# Altium PCB MCH_MAIN.PCBDOC (part 10 of 14)
Units mil, origin at the board's own origin, x right, y up, seen from the top; angles counter-clockwise.
Board outline 7110.66 x 2894.12 mil, 6 copper layers (Top Layer, Power, MidLayer1, MidLayer4, GND, Bottom Layer), stack 61.549 mil thick; 630 components, 1085 nets, 3940 pads, 2676 vias.
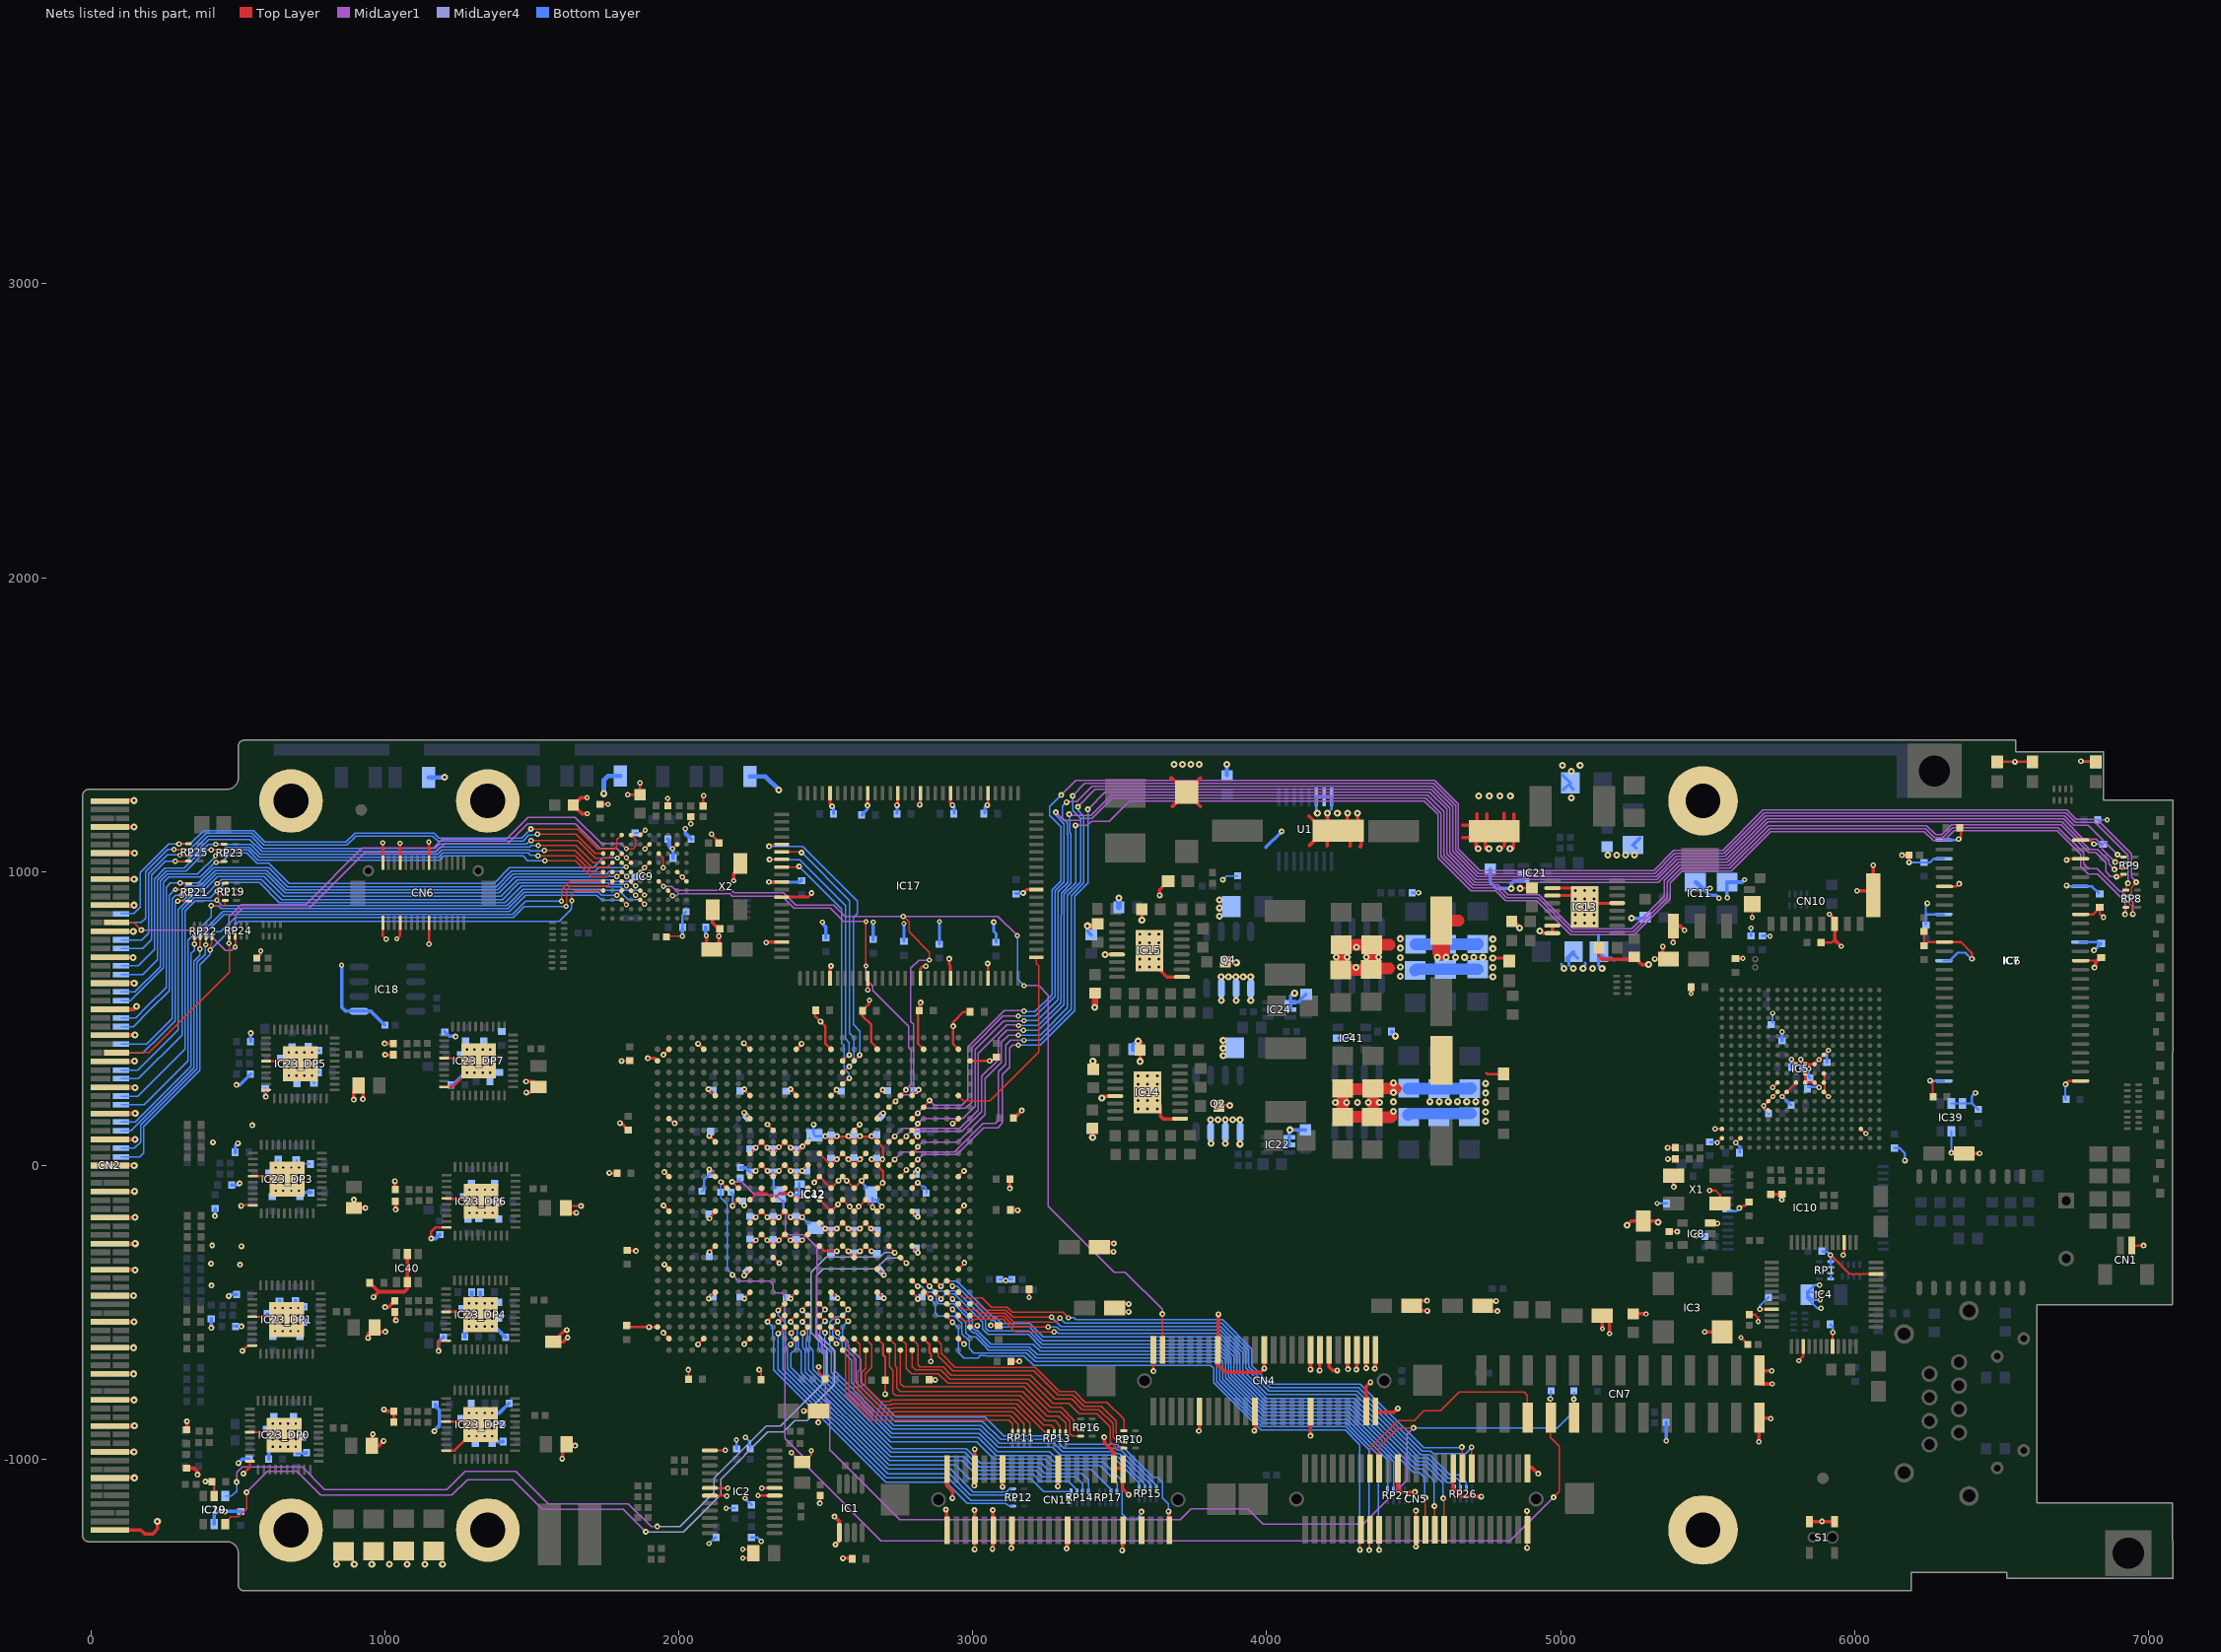
[diagram p14: the nets of this part, all layers, seen from the top]

## Via types
v1: diameter 20, hole 8, Top Layer to Bottom Layer, tented both sides, 1658 vias
v2: diameter 18, hole 8, Top Layer to Bottom Layer, tented both sides, 580 vias
v3: diameter 24, hole 10, Top Layer to Bottom Layer, tented both sides, 438 vias

## Nets (pads, with @x,y where several pads share a name; then routed paths per layer and width w, separated by ;. In a path a pad name is that pad's centre, name@x,y a point inside that pad or via, vN(x,y) a via of type N, cw(c..) or ccw(c..) an arc to the next point about the centre after c; other vN are vias at no path point) (continued)
GND: (continued)
  other v1: 4886.2,-1301.1 5889.08,-1210.67 2529.8,-1194.3 456,-1177.1 3101.6,-1093.1 1603.4,-997.1 644.17,-956.69 671.73,-956.69 697.32,-956.69 618.58,-931.1 644.17,-931.1 671.73,-931.1 697.32,-931.1 3447.66,-924.58 1286.77,-920.61 1312.36,-920.61 1339.92,-920.61 4149,-919.7 618.58,-903.54 644.17,-903.54 671.73,-903.54 697.32,-903.54 1286.77,-895.02 1312.36,-895.02 1339.92,-895.02 1365.51,-895.02 618.58,-877.95 644.17,-877.95 671.73,-877.95 697.32,-877.95 1286.77,-867.46 1312.36,-867.46 1339.92,-867.46 1365.51,-867.46 1286.77,-841.87 1312.36,-841.87 1339.92,-841.87 2702.2,-777.5 2857.6,-666.7 2536.4,-606.3 626.77,-563.61 652.36,-563.61 679.92,-563.61 705.51,-563.61 1311.97,-547.09 1339.53,-547.09 1365.12,-547.09 3015.5,-544.7 3062,-544.1 626.77,-538.02 652.36,-538.02 679.92,-538.02 1038.2,-526.5 1286.38,-521.5 1311.97,-521.5 1339.53,-521.5 1365.12,-521.5 652.36,-510.46 679.92,-510.46 705.51,-510.46 4784.8,-495.1 1286.38,-493.94 1311.97,-493.94 1339.53,-493.94 1365.12,-493.94 626.77,-484.87 679.92,-484.87 1311.97,-468.35 1365.12,-468.35 2813.29,-453.99 2101.68,-453.07 2223.73,-453.07 2381.21,-453.07 2698.13,-451.04 410.4,-407.9 2222.74,-373.35 2698.13,-372.3 507.6,-337.9 1951.4,-336.9 409,-333.7 2971.6,-330.9 2813.29,-296.51 2104.63,-294.61 2537.7,-291.66 2577.07,-291.66 2616.44,-291.66 1854.4,-290.6 512.4,-274.6 413,-271.9 2301.48,-254.25 2380.22,-254.25 5462.14,-237.84 5396.2,-225.04 2498.33,-214.88 2577.07,-214.88 2104.63,-180.44 2301.48,-175.51 2813.29,-174.47 1287.98,-161.29 1313.57,-161.29 1341.13,-161.29 1366.72,-161.29 3153,-152.1 5608,-145.1 2581.01,-140.08 511.3,-137.1 1287.98,-135.7 1313.57,-135.7 1341.13,-135.7 1366.72,-135.7 2222.74,-136.14 5752.5,-116.78 1287.98,-108.14 1313.57,-108.14 1341.13,-108.14 1366.72,-108.14 628.77,-85.61 654.36,-85.61 681.92,-85.61 1287.98,-82.55 1313.57,-82.55 1341.13,-82.55 1366.72,-82.55 628.77,-60.02 654.36,-60.02 681.92,-60.02 707.51,-60.02 2693.6,-59.1 2460.9,-57.44 2571.17,-51.5 628.77,-32.46 654.36,-32.46 681.92,-32.46 707.51,-32.46 1950.6,-22.3 2301.89,-18.03 2380.63,-18.03 2420,-18.03 654.36,-6.87 681.92,-6.87 2577.07,21.34 2693.21,21.34 2301.89,60.71 2380.63,60.71 2340.85,62.67 415.4,78.9 2813.29,99.09 2537.7,100.08 2577.07,100.08 2616.44,100.08 2655.81,100.08 549.2,136.9 2301.58,139.81 2615.46,139.45 2931.8,142.9 1986,143.5 2695.18,177.83 1481.2,248.3 2536.72,257.56 2694.2,257.56 1480.4,285.7 673.58,306.31 699.17,306.31 726.73,306.31 1305.36,316.39 1332.92,316.39 1358.51,316.39 673.58,331.9 699.17,331.9 726.73,331.9 752.32,331.9 1279.77,341.98 1305.36,341.98 1332.92,341.98 1358.51,341.98 3057.5,356.1 673.58,359.46 699.17,359.46 726.73,359.46 752.32,359.46 1279.77,369.54 1305.36,369.54 1332.92,369.54 1358.51,369.54 673.58,385.05 699.17,385.05 726.73,385.05 1279.77,395.13 1305.36,395.13 1332.92,395.13 1358.51,395.13 2417.8,414.7 1240.8,438.7 6816.01,673.22 4516.1,927.87 2819.4,1227.8 6545.4,1373.4
  other v2: 2167,-1097.1 5532.76,77.15 6037.8,108.7 5722.04,234.63 5878.82,360.11 5753.63,455.51 5721.84,518.1 2841,677.9 2137,779.9 1979,1077.9
  other v3: 836,-1357.1 896,-1357.1 956,-1357.1 1016,-1357.1 1076,-1357.1 1136,-1357.1 1196,-1357.1 226.8,-1210.3 148.2,-1062.5 146.6,-973.9 148.2,-885.1 147,-797.5 145.8,-708.7 146,-619.9 147.2,-531.7 150.6,-355.5 151.2,-265.7 150.6,-176.7 148.4,-88.1 147.8,-0.7 3909.1,72.85 3810.68,74.82 3859.89,74.82 150,88.3 4078.5,121.2 4744.87,151.08 3808.71,155.53 3833.81,155.53 3858.91,155.53 3884.01,155.53 3909.1,155.53 151.2,177.1 4744.87,183.07 4430.67,184.77 3562.52,192.8 3595,192.8 3627.48,192.8 4233.91,214.59 4271.31,214.59 4308.71,214.59 4346.11,214.59 4383.51,214.59 4744.87,215.06 4430.67,216.76 4555.59,217.1 4586.75,217.1 4617.91,217.1 4649.07,217.1 4680.24,217.1 4711.4,217.1 3562.52,220.36 3595,220.36 3627.48,220.36 3439.4,229.9 4744.87,247.05 3562.52,248.9 3595,248.9 3627.48,248.9 4430.67,248.75 150,264.5 3562.52,276.46 3595,276.46 3627.48,276.46 4744.87,279.04 4430.67,280.74 3562.52,305 3595,305 3627.48,305 149,354.9 3409.1,354.65 3569.54,354.35 3852.02,374.04 3852.02,399.63 3562.6,423.15 3852.02,425.22 149.8,444.1 3845.43,561.81 3896.61,561.81 3945.82,561.81 4095,585.9 147.8,619.7 3845.13,641.75 3870.23,641.75 3895.33,641.75 3920.42,641.75 3945.52,641.75 4769.17,642.18 4454.97,643.88 5011,670.9 5043.5,670.9 5076,670.9 5108.5,670.9 5141,670.9 4303.59,673.37 4769.17,674.17 3568.52,674.8 3601,674.8 3633.48,674.8 4454.97,675.87 3568.52,702.36 3601,702.36 3633.48,702.36 4454.97,707.86 4579.89,708.2 4611.05,708.2 4642.21,708.2 4673.38,708.2 4704.54,708.2 4735.7,708.2 4236.86,708.68 4274.26,708.68 4339.22,708.68 4380.56,708.68 3450,717.9 3568.52,730.9 3601,730.9 3633.48,730.9 4769.17,738.15 4454.97,739.85 4305.6,742.8 3568.52,758.46 3601,758.46 3633.48,758.46 4454.97,771.84 3568.52,787 3601,787 3633.48,787 144.6,796.7 5050.5,824.78 5082,824.78 5113.5,824.78 3839.22,848.44 5050.5,853.33 5082,853.33 5113.5,853.33 3839.22,876 5050.5,879.9 5082,879.9 5113.5,879.9 147,885.7 3839.22,903.56 5050.5,907.46 5082,907.46 5113.5,907.46 5050.5,935.02 5082,935.02 5113.5,935.02 4832,941.9 4862,942.9 147.8,974.3 5161,1055.9 5191,1055.9 5221,1055.9 5251,1055.9 149,1062.9 4719.8,1077.8 4755.77,1077.8 4827.7,1077.8 147.4,1151.7 4240.75,1199.03 147,1241.5 5036,1250.9 4721.3,1256.8 4757.27,1256.8 4793.23,1256.8 4829.2,1256.8 5036,1340.9 5006,1360.9 5066,1360.9 3684.9,1364.1 3713.63,1364.1 3742.37,1364.1 3771.1,1364.1
GPIO0: IC12.K22 RP8.8 | length 5779.2
  Top Layer w5: v1@2769.72,95.87 IC12.K22@2754.32,80.47 v1@2772.94,99.09 ; v1@6921.79,856.65 6921.79,859.6 6923.04,860.86 RP8.8@6923.04,878.05
  MidLayer1 w5: v1(2773.92,99.09) 2790.42,115.59 2898.87,115.59 2898.96,115.5 2912,115.5 2912.4,115.9 2963.5,115.9 3030.75,183.15 3030.75,279.9 3030.75,303.65 3087,359.9 3087,430.9 3115.5,459.4 3152,459.4 3172.5,459.4 v2(3173,459.9) ; v1(3349.5,1157.1) 3389.8,1157.1 3403.4,1170.7 3464.9,1170.7 3534.1,1239.9 4536.66,1239.9 4582.45,1194.11 4582.45,1047.31 4695.86,933.9 4779.12,933.9 4812.12,900.9 4918.52,900.9 5034.14,785.28 5250.96,785.28 5373,907.33 5373,961.33 5413.27,1001.6 5580.27,1001.6 5714.97,1136.3 6236.73,1136.3 6267.53,1105.5 6304.54,1105.5 6337.94,1138.9 6688.77,1138.9 6768.7,1058.97 6768.7,1016.7 6794.6,990.8 6826.1,990.8 6919.82,897.08 v1(6919.82,854.68)
  Bottom Layer w5: v2@3174,459.9 3223.14,459.9 3311.1,547.86 3311.1,922.73 3349.8,961.43 v1@3349.8,1156.8
GPIO1: IC12.H23 RP8.7 | length 5858.4
  Top Layer w5: v1@2809.36,174.88 IC12.H23@2793.69,159.21 v1@2812.31,177.83 ; RP8.7@6923.04,897.74 6927.81,897.74 6943.1,882.45 6943.1,862.89 v1@6945.41,860.59
  MidLayer1 w5: v1(2813.29,177.83) 2829.79,194.33 2974.93,194.33 2996.25,215.65 2996.25,401.15 3103,507.9 3127,507.9 ; 3135,507.9 3127,507.9 ; v2(3155,508.9) 3155,507.9 3127,507.9 ; v1(3282.8,1201.6) 3309.7,1174.7 3364.56,1174.7 3370.56,1180.7 3406.08,1180.7 3475.28,1249.9 4540.8,1249.9 4592.45,1198.25 4592.45,1051.46 4700.01,943.9 4783.26,943.9 4816.26,910.9 4922.67,910.9 5038.28,795.28 5246.81,795.28 5363,911.47 5363,965.47 5409.13,1011.6 5576.13,1011.6 5710.83,1146.3 6240.87,1146.3 6271.67,1115.5 6300.4,1115.5 6333.8,1148.9 6692.92,1148.9 6778.7,1063.12 6778.7,1027.2 6795.2,1010.7 6823.95,1010.7 6900.95,933.7 6908,933.7 6946.39,895.31 v1(6946.39,855.66)
  Bottom Layer w5: v2(3155,508.9) 3155,507.9 v2@3156.5,509.4 ; v2@3157,509.4 3213.64,509.4 3280.5,576.26 3280.5,631.9 ; 3280.5,620.26 3280.5,631.9 ; v1(3282.8,1201.6) 3282.8,1190.7 3310.4,1163.1 3310.4,964.46 3280.5,934.56 3280.5,631.9
GPIO2: IC12.G24 RP8.6 | length 5648.9
  Top Layer w5: IC12.G24@2833.06,198.58 v1@2852.66,218.19 ; RP8.6@6918.27,917.42 RP8.6@6923.04,917.42 6932.36,917.42 6942.35,927.41 6942.35,947.1 v1@6958,962.74
  MidLayer1 w5: v1@2858.34,221.14 v1(2852.66,221.14) 2869.16,204.64 2963.94,204.64 2984.1,224.8 2984.1,403.14 3107.86,526.9 3146,526.9 ; 3155,526.9 3146,526.9 ; v2(3174,525.9) 3173,526.9 3146,526.9 ; v1(3300.9,1260.1) 3350.7,1309.9 4571.77,1309.9 4652.45,1229.22 4652.45,1076.31 4724.86,1003.9 5316.58,1003.9 5384.28,1071.6 5551.28,1071.6 5688.58,1208.9 6722.97,1208.9 6754.67,1177.2 6824.6,1177.2 6941.6,1060.2 6941.6,981.52 v1@6958.61,964.51
  Bottom Layer w5: v2@3174,523.9 3212.14,523.9 3269.4,581.16 3269.4,937.6 3299.9,968.1 3299.9,1153.1 3261.4,1191.6 3261.4,1220.6 v1(3300.9,1260.1)
  other v1: 6958,963.9
GPIO3: IC12.L23 RP8.5 | length 5694.9
  Top Layer w5: IC12.L23@2793.69,41.1 v1@2813.29,60.71 ; RP8.5@6923.04,937.11 6923.04,953.38 v1(6929.66,959.99)
  MidLayer1 w5: v1(2813.29,63.66) 2829.79,80.16 2949.36,80.16 3042,172.8 3042,294.9 3098,350.9 3098,419.9 3122,443.9 3131,443.9 ; 3137,443.9 3131,443.9 ; v2(3155,442.9) 3154,443.9 3131,443.9 ; v1@3341.7,1260.3 3381.3,1299.9 4567.63,1299.9 4642.45,1225.08 4642.45,1072.17 4720.72,993.9 5320.72,993.9 5388.42,1061.6 5555.42,1061.6 5692.72,1198.9 6718.83,1198.9 6750.53,1167.2 6817.16,1167.2 6929.66,1054.7 v1(6929.66,959.99)
  Bottom Layer w5: v2(3155,442.9) 3155,443.9 v2@3155.5,443.4 ; v2@3157,443.4 3229.11,443.4 3234.3,448.6 ; 3239.8,454.1 3234.3,448.6 ; v1(3340.3,1257.3) 3340.3,1208.1 3367.3,1181.1 3367.3,964.79 3322.5,919.99 3322.5,536.79 3234.3,448.6
GPIO4: IC12.K21 RP9.8 | length 5769.2
  Top Layer w5: v1@2730.62,96.14 IC12.K21@2714.95,80.47 v1@2733.57,99.09 ; v1(6891.01,982.22) 6906.21,982.22 RP9.8@6915.04,991.05
  MidLayer1 w5: v1(2734.55,99.09) 2761.36,125.9 2957,125.9 3019,187.9 3019,381.9 3115,477.9 3131,477.9 ; 3137,477.9 3131,477.9 ; v2(3156,475.9) 3154,477.9 3131,477.9 ; v1(3328.5,1194.6) 3332.5,1190.6 3366.32,1190.6 ; 3366.42,1190.7 3401.94,1190.7 3471.14,1259.9 4547.76,1259.9 4602.45,1205.21 4602.45,1055.6 4704.15,953.9 4787.4,953.9 4820.4,920.9 4926.81,920.9 5042.43,805.28 5242.67,805.28 5353,915.61 5353,969.61 5404.99,1021.6 5571.99,1021.6 5706.69,1156.3 6245.01,1156.3 6275.81,1125.5 6296.26,1125.5 6329.66,1158.9 6701.67,1158.9 6795.37,1065.2 6818.95,1065.2 6854.5,1029.65 6854.5,999.6 6870.6,983.5 v1@6890.8,983.5
  Bottom Layer w5: v2@3157,476.4 3222.64,476.4 3300.9,554.66 3300.9,853.2 ; 3301.1,853.4 3301.1,926.87 3333.8,959.57 3333.8,1129.45 3331.2,1132.05 3331.2,1191.9 v1(3328.5,1194.6)
GPIO5: IC12.M23 RP9.7 | length 5565.2
  Top Layer w5: v1@2809.36,17.4 IC12.M23@2793.69,1.73 v1@2812.31,20.35 ; v1(6883.4,1007.24) 6886.35,1010.19 6914.5,1010.19 RP9.7@6915.04,1010.74
  MidLayer1 w5: v1(2813.29,20.35) 2830.24,37.3 2945.7,37.3 3037.2,128.8 3084.9,128.8 3101,144.9 3101,309.9 3126,334.9 3126,399.9 3136,409.9 v2(3155,409.9) ; v1@3391.7,1208.1 3391.7,1212 3449.6,1269.9 4555.2,1269.9 4612.45,1212.65 4612.45,1059.74 4708.29,963.9 5333.15,963.9 5343,973.75 ; 5343,973.75 5400.85,1031.6 5567.85,1031.6 5705.15,1168.9 6706.4,1168.9 6799.7,1075.6 6827.1,1075.6 6864.5,1038.2 6864.5,1026.14 v1(6883.4,1007.24)
  Bottom Layer w5: v2(3155,409.9) v2@3155.5,409.4 ; v2@3157,409.4 3229.05,409.4 3346.5,526.85 3346.5,584.9 ; 3346.5,572.72 3346.5,584.9 ; v1@3391.7,1208.1 3391.7,960.91 3346.5,915.71 3346.5,584.9
  other v1: 3391.6,1211.4
GPIO6: IC12.M21 RP9.6 | length 5707.1
  Top Layer w5: v1@2730.62,17.4 IC12.M21@2714.95,1.73 v1@2733.57,20.35 ; v1(6886.26,1032.28) 6888.12,1030.42 RP9.6@6915.04,1030.42
  MidLayer1 w5: v1(2734.55,20.35) 2760.6,46.4 2938.53,46.4 3033.13,141 3035.65,143.51 3077.61,143.51 3088,153.9 3088,319.9 3113,344.9 3113,409.9 3129,425.9 3129.5,426.4 3159,426.4 ; 3143.5,426.4 3159,426.4 ; v2(3174,425.9) 3173.5,426.4 3159,426.4 ; v1@3354.6,1221.4 3358.2,1221.4 3416.7,1279.9 4559.34,1279.9 4622.45,1216.79 4622.45,1063.88 4712.43,973.9 5329.01,973.9 5333,977.89 5396.71,1041.6 5563.71,1041.6 5701.01,1178.9 6710.54,1178.9 6778.04,1111.4 6821.65,1111.4 6841.6,1091.45 6841.6,1076.94 v1(6886.26,1032.28)
  Bottom Layer w5: v2(3174,425.9) 3229,425.9 3248,444.9 ; 3243,439.9 3248,444.9 ; 3249.5,446.4 3248,444.9 ; 3334.8,577.56 3334.8,593.9 ; v1(3358.1,1220) 3358.1,1207.4 3377.3,1188.2 3377.3,960.65 3334.8,918.15 3334.8,593.9 ; 3248,444.9 3334.8,531.7 3334.8,593.9
GPIO7: IC12.J23 RP9.5 | length 5489
  Top Layer w5: IC12.J23@2793.69,119.84 v1@2813.29,139.45 ; v1(6894.14,1057.87) 6894.14,1052.95 6896.98,1050.11 RP9.5@6915.04,1050.11
  MidLayer1 w5: v1(2813.29,142.4) 2830.29,159.4 2966,159.4 3008.25,201.65 3008.25,395.15 3105.5,492.4 3144.5,492.4 3173.5,492.4 v2(3174,492.9) ; v1(3318.8,1236) 3320.3,1237.5 3353.3,1237.5 3405.7,1289.9 4563.48,1289.9 4632.45,1220.93 4632.45,1068.02 4716.57,983.9 5324.86,983.9 5392.56,1051.6 5559.56,1051.6 5696.86,1188.9 6714.68,1188.9 6746.38,1157.2 6794.81,1157.2 v1(6894.14,1057.87) ; v1@6893.24,1052.51 6893.7,1052.51 6894.14,1052.95 v1(6894.14,1057.87) ; v1@6894.38,1058.12 v1(6894.14,1057.87)
  Bottom Layer w5: v2(3174,492.9) 3219.04,492.9 3290.9,564.76 3290.9,619.9 ; 3290.9,608.76 3290.9,619.9 ; v1(3318.8,1236) 3305.8,1223 3305.8,1181.84 3321.2,1166.44 3321.2,1127.91 3323.8,1125.31 3323.8,963.72 3290.9,930.82 3290.9,619.9
IMCH_UPD_RX: IC12.W21 IC20.5 | length 3220.1
  Top Layer w8: IC12.W21@2714.95,-273.86 2714.95,-275.99 v1@2734.55,-295.59
  MidLayer1 w5: v1@496,-1075.1 496,-1044.7 514.63,-1026.07 719.37,-1026.07 795.2,-1101.9 1211.8,-1101.9 1272.8,-1040.9 1446,-1040.9 1555.8,-1150.7 1828.69,-1150.7 1906.09,-1228.1 v1(1927,-1228.1)
  MidLayer4 w5: v1(1927,-1228.1) 2004.6,-1228.1 2120.3,-1112.4 2120.3,-1064.8 2298.2,-886.9 2345.8,-886.9 2503.8,-728.9 2503.8,-621.7 2450.2,-568.1 2450.2,-363.9 2502.7,-311.4 2685.3,-311.4 2700.19,-296.51 v1(2734.55,-296.51)
  Bottom Layer w5: IC20.5@457.4,-1124.86 478.24,-1124.86 496,-1107.1 v1(496,-1077.1)
IMCH_UPD_TX: IC12.Y22 IC19.5 | length 3339.2
  Top Layer w5: IC19.5@457.4,-1219.34 457.4,-1213.7 476,-1195.1 502,-1195.1 529.73,-1167.37 v1(529.73,-1111.83)
  Top Layer w8: IC12.Y22@2754.32,-313.23 2772.11,-331.03 v1@2775.89,-331.03
  MidLayer1 w5: v1@525.73,-1115.83 v1(529.73,-1111.83) 600.65,-1040.9 701.8,-1040.9 782.2,-1121.3 1228,-1121.3 1280.8,-1068.5 1435.4,-1068.5 1536.6,-1169.7 1811.69,-1169.7 v1(1887.98,-1245.99)
  MidLayer4 w5: v1@1885.8,-1246.5 2016.6,-1246.5 2143,-1120.1 2143,-1067.1 2303,-907.1 2304,-907.1 2356,-907.1 2394.6,-868.5 2437,-868.5 2457.2,-848.3 2457.2,-816.3 2481.4,-792.1 ; 2478.6,-794.9 2481.4,-792.1 ; v1(2773.92,-331.95) 2756.07,-314.1 2708.8,-314.1 2670.6,-352.3 2492,-352.3 2469.4,-374.9 2469.4,-568.9 2528.2,-627.7 2528.2,-745.3 2481.4,-792.1
INTER_SCL: CN2.56 IC9.D10 RP24.5 | length 2327.1
  Top Layer w5: CN2.56@87.61,383.84 197.94,383.84 471.47,657.37 v2@471.47,754.9 ; v2@471.47,755.9 RP24.5@471.47,779.21 ; v2@1824,1075.9 v2(1822,1077.9) 1844.61,1077.9 1853.61,1086.9 1853.61,1108.24 IC9.D10@1837.49,1124.36
  MidLayer1 w5: v2(470,755.9) 470,845.9 512,887.9 731,887.9 923.1,1080 1137.2,1080 1166.45,1080 1194.8,1108.35 1411.45,1108.35 1488,1184.9 1647,1184.9 1737,1094.9 1805,1094.9 v2(1822,1077.9)
INTER_SDA: CN2.71 IC9.D7 RP24.6 | length 2137.4
  Top Layer w5: CN2.71@87.61,826.75 146.05,826.75 v1(171.6,801.2) ; v2(491,743.9) 491.16,744.06 RP24.6@491.16,779.21 ; v2(1822,1046.9) 1822,1045.36 IC9.D7@1837.49,1029.88
  MidLayer1 w5: v1(171.6,801.2) 388.7,801.2 459,730.9 478,730.9 v2(491,743.9) ; v2@492,744.9 v2(491,743.9) ; 560,875.9 547,875.9 ; v2(1822,1046.9) 1822,1045.9 1789,1078.9 1733,1078.9 1649.5,1162.4 1485.6,1162.4 1419.1,1095.9 1203.9,1095.9 1173.1,1065.1 933.2,1065.1 744,875.9 547,875.9 ; v2(491,743.9) 491,849.9 517,875.9 547,875.9
IPMB0_A_SCL: CN2.127 IC9.A4 RP22.8 | length 2369.8
  Top Layer w5: v2(405.7,733.07) 407.5,734.87 407.5,748.87 411.53,752.9 RP22.8@411.53,778.21 ; v2(1636,900.9) 1636,926.9 1644.49,935.39 IC9.A4@1743,935.39
  Bottom Layer w5: CN2.127@102.37,29.51 130,29.51 148,29.51 166.11,29.51 179.5,42.9 179.5,133.48 371,324.98 371,682.9 405.7,717.6 v2(405.7,733.07) 503.53,830.9 1593,830.9 1628.5,866.4 ; 1626,863.9 1628.5,866.4 ; v2(1636,900.9) 1636,873.9 1628.5,866.4
IPMB0_A_SDA: CN2.126 IC9.B5 RP22.7 | length 2388.8
  Top Layer w5: v2@391.84,751.74 RP22.7@391.84,778.21 ; v2(1617,881.9) 1618,882.9 1618,903.9 ; 1618,898.9 1618,903.9 ; 1621,939.9 1626.5,945.4 ; IC9.B5@1774.5,966.88 1758.51,950.9 1632,950.9 1626.5,945.4 ; 1618,903.9 1618,936.9 1626.5,945.4
  Bottom Layer w5: CN2.126@102.37,59.04 148.31,59.04 169.5,80.22 169.5,137.63 361,329.13 361,690.76 389.2,718.96 v2@389.2,749.1 ; v2(391,750.9) 391,768.9 416.83,794.73 442.17,794.73 491.33,843.9 1437.67,843.9 1474.67,880.9 v2@1616,880.9
IPMB0_B_SCL: CN2.124 IC9.A5 RP22.6 | length 2316.7
  Top Layer w5: v2(371,736.9) 372.16,738.06 RP22.6@372.16,778.21 ; v2(1601,899.9) 1601,937.9 1629.98,966.88 IC9.A5@1743,966.88
  Bottom Layer w5: CN2.124@102.37,118.09 135.82,118.09 351,333.27 351,694.9 371,714.9 v2(371,736.9) 371,772.23 452.67,853.9 1393,853.9 ; 1404,853.9 1393,853.9 ; 1583,899.9 1579,899.9 ; v2(1601,899.9) 1579,899.9 ; 1393,853.9 1433.52,853.9 1479.52,899.9 1579,899.9
IPMB0_B_SDA: CN2.123 IC9.C3 RP22.5 | length 2351.6
  Top Layer w5: v2(352,752.9) 352.47,753.37 RP22.5@352.47,778.21 ; IC9.C3@1805.99,903.89 v2(1822,887.9)
  Bottom Layer w5: CN2.123@102.37,147.62 151.21,147.62 341,337.41 341,720.9 352,731.9 v2(352,752.9) 352,767.38 437.26,852.64 ; 441.26,856.64 437.26,852.64 ; v2(1822,887.9) 1807.5,902.4 1738.5,902.4 1721.5,919.4 1478.5,919.4 1423.91,864.81 449.43,864.81 437.26,852.64
IPMBL_SCL0: CN2.121 IC9.C4 RP19.8 | length 2374.7
  Top Layer w5: v2(409,883.9) 454,883.9 457.31,887.21 RP19.8@457.31,901.37 ; v2(1790,919.9) 1805.49,935.39 IC9.C4@1805.99,935.39
  Bottom Layer w5: CN2.121@102.37,206.67 181.17,206.67 331,356.5 331,766.9 409,844.9 v2(409,883.9) ; v2@409.91,884.81 v2(409,883.9) ; 1405,874.81 1397,874.81 ; 1725,929.9 1722,929.9 ; 1773,919.9 1759,919.9 ; v2(1790,919.9) 1759,919.9 ; v2(409,883.9) 433.86,883.9 442.95,874.81 1397,874.81 ; 1397,874.81 1419.77,874.81 1474.86,929.9 1722,929.9 ; 1722,929.9 1728,929.9 1738,919.9 1759,919.9
IPMBL_SCL1: CN2.118 IC9.E4 RP19.6 | length 2433.4
  Top Layer w5: v2(429,933.9) 435.84,940.74 RP19.6@457.31,940.74 ; IC9.E4@1868.98,935.39 v2(1884,920.37) v2@1884,919.9
  Bottom Layer w5: CN2.118@102.37,295.26 162.16,295.26 311,444.1 311,870.28 351.62,910.9 406,910.9 v2(429,933.9) 458,962.9 573.4,962.9 641.49,894.81 1386.1,894.81 ; 1394.71,894.81 1386.1,894.81 ; v2(1884,920.37) 1868.97,935.4 1815.58,935.4 1803.33,947.65 1755.75,947.65 1752.5,950.9 1465.09,950.9 1409,894.81 1386.1,894.81
IPMBL_SCL2: CN2.115 IC9.D5 RP21.8 | length 2358.7
  Top Layer w5: v2(295,899.9) 332.79,899.9 RP21.8@333.31,899.37 ; IC9.D5@1837.49,966.88 1853,951.37 v2(1853,950.9)
  Bottom Layer w5: CN2.115@102.37,383.84 178.94,383.84 234.5,439.4 ; 238.4,443.3 234.5,439.4 ; v2(1853,950.9) 1847.58,950.9 1832.08,966.4 1781.5,966.4 1776.91,970.99 1450.09,970.99 1394.9,915.8 655.8,915.8 588.7,982.9 430.67,982.9 378.67,930.9 343,930.9 325.5,913.4 325.5,913.07 315.83,903.4 298.5,903.4 v2(295,899.9) 287,891.9 287,491.9 234.5,439.4
IPMBL_SCL3: CN2.112 IC9.D6 RP21.6 | length 2283.9
  Top Layer w5: v2@288,941.9 291.16,938.74 RP21.6@333.31,938.74 ; v2(1823,982.9) 1823,983.9 1822.45,983.9 1836.93,998.38 IC9.D6@1837.49,998.38
  Bottom Layer w5: CN2.112@102.37,472.42 143.96,472.42 202.22,530.68 ; 216.99,545.45 202.22,530.68 ; v2(288,938.9) 312.86,938.9 324.86,950.9 370.38,950.9 422.38,1002.9 599.3,1002.9 663.9,938.3 1383.8,938.3 1436.49,990.99 1753.95,990.99 1764.86,1001.9 1805,1001.9 1823,983.9 v2(1823,982.9) ; v2@288,941.9 266.3,920.2 266.3,594.76 202.22,530.68
IPMBL_SCL4: CN2.109 IC9.C8 RP23.8 | length 2203.7
  Top Layer w5: v2(426,1030.9) 429.47,1034.37 RP23.8@453.31,1034.37 ; v2@1791,1046.38 IC9.C8@1805.99,1061.37
  Bottom Layer w5: CN2.109@102.37,561 135.05,561 246.3,672.26 246.3,963.2 265,981.9 373.1,981.9 422.1,1030.9 v2(426,1030.9) 443,1030.9 475,1062.9 531.01,1062.9 565.01,1028.9 605.9,1028.9 674.5,960.3 1371.19,960.3 1423.5,1012.61 1708.71,1012.61 1743,1046.9 1766,1046.9 ; 1774,1046.9 1766,1046.9 ; v2(1791,1045.9) 1790,1046.9 1766,1046.9
IPMBL_SCL5: CN2.106 IC9.A6 RP23.6 | length 2078.8
  Top Layer w5: v2(410,1073.9) 410.16,1073.74 RP23.6@447.31,1073.74 ; v2(1521,1053.9) 1521.5,1053.4 1546,1053.4 1649.5,1053.4 1672.5,1030.4 ; 1670,1032.9 1672.5,1030.4 ; IC9.A6@1743,998.38 1704.52,998.38 1672.5,1030.4
  Bottom Layer w5: CN2.106@102.37,649.59 176.09,649.59 226.3,699.8 226.3,971.48 256.72,1001.9 323.25,1001.9 395.25,1073.9 v2(410,1073.9) 449,1073.9 458,1082.9 539.29,1082.9 573.29,1048.9 1182.97,1048.9 1196.97,1062.9 1468,1062.9 ; 1480,1062.9 1468,1062.9 ; v2(1521,1053.9) 1519.5,1055.4 1495.36,1055.4 1487.86,1062.9 1468,1062.9